# Altium PCB NZPP.PcbDoc (part 2 of 2)
Units mm, origin at the board's own origin, x right, y up, seen from the top; angles counter-clockwise.
Board outline 217.7 x 106.4 mm, 2 copper layers (Top Layer, Bottom Layer), stack 1.571 mm thick; 158 components, 125 nets, 713 pads, 208 vias.
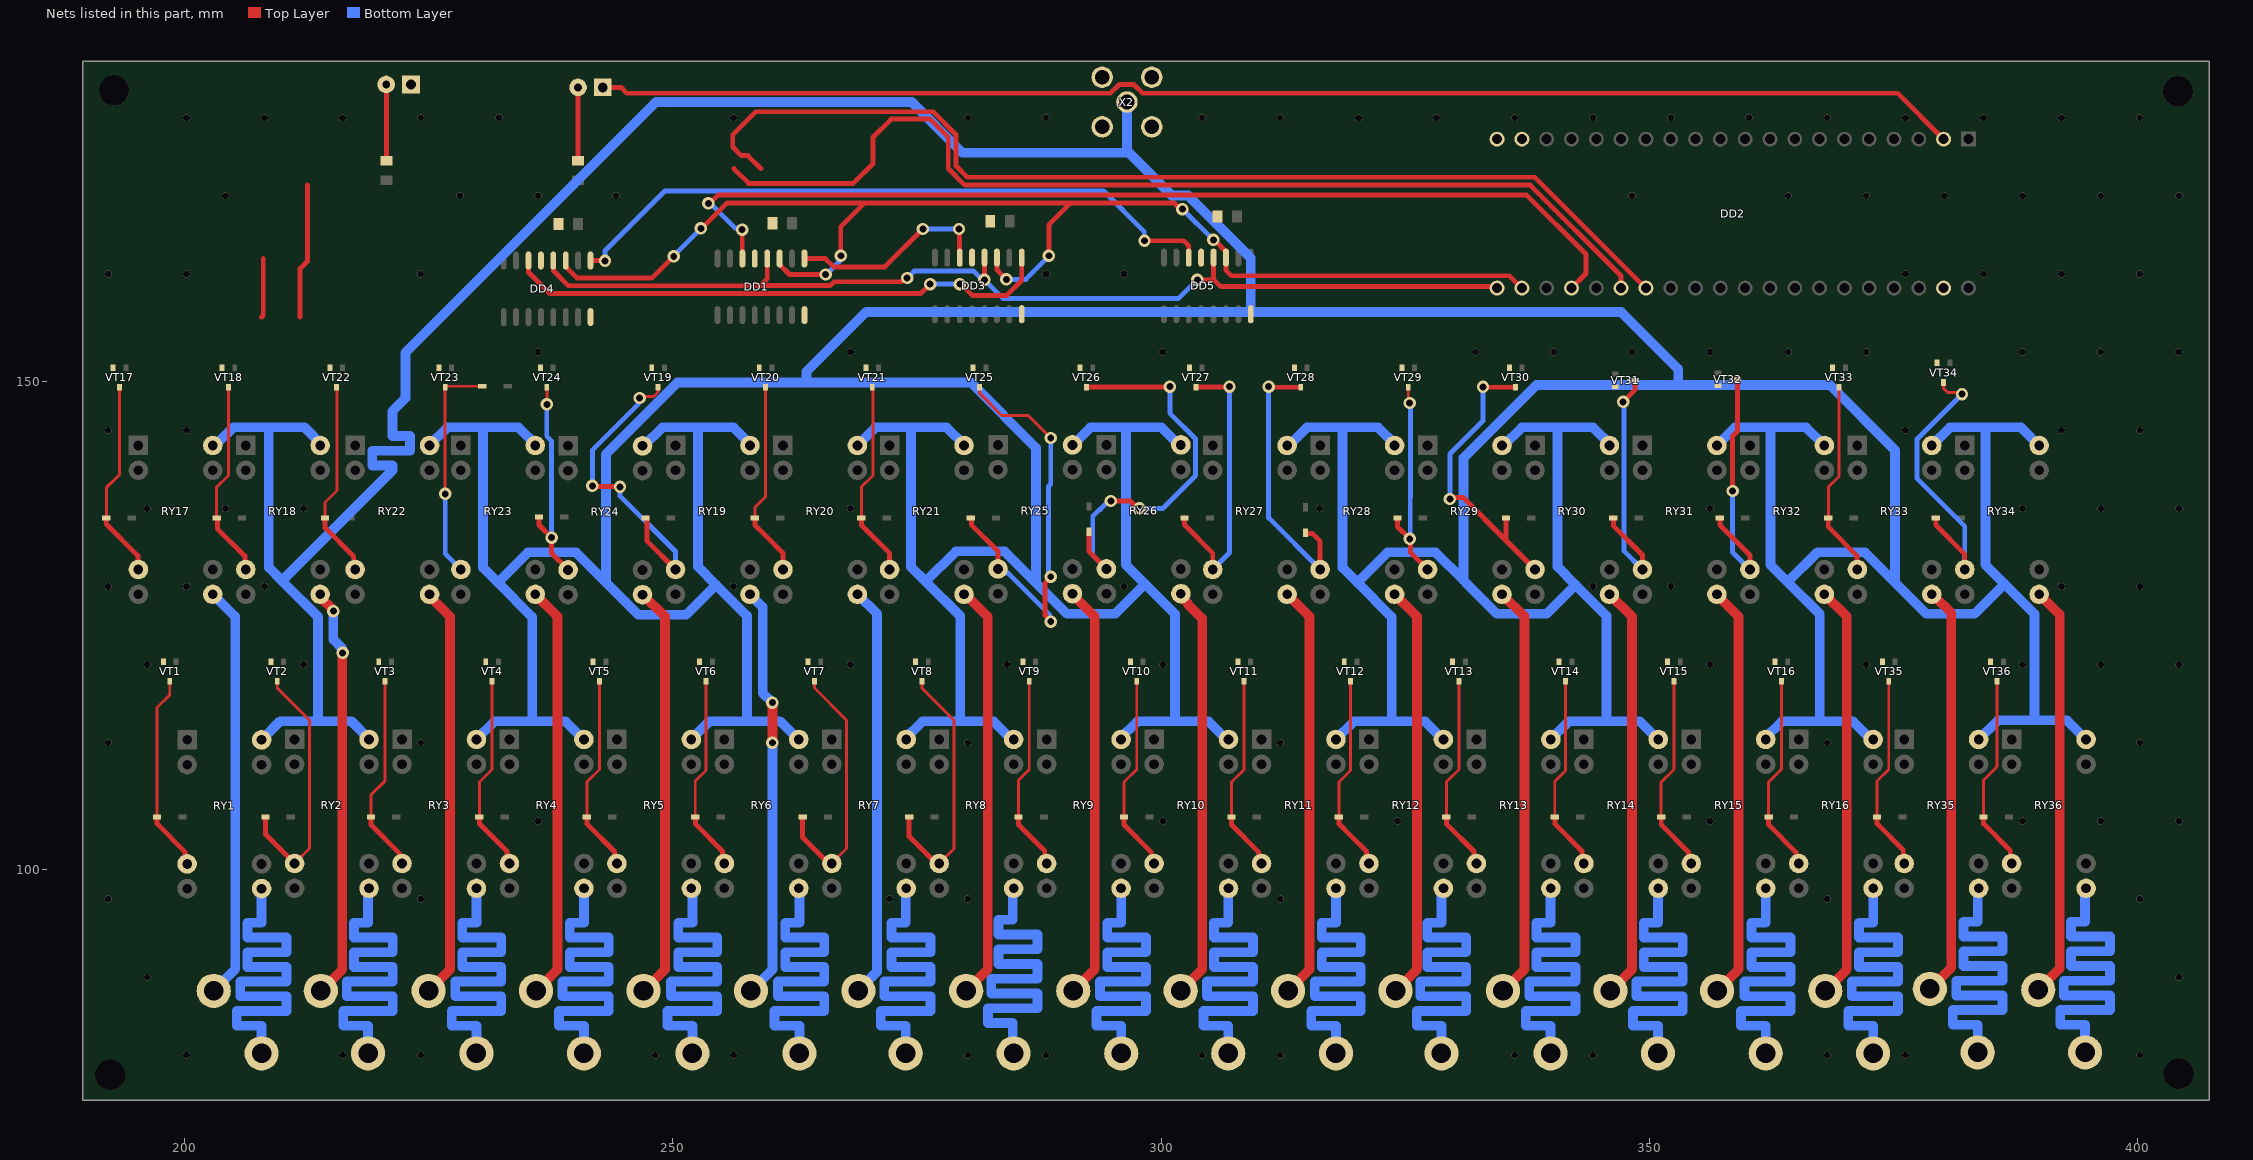
[diagram p2: the nets of this part, all layers, seen from the top]

## Via types
v1: diameter 0.7, hole 0.7, Top Layer to Bottom Layer, tented both sides, 120 vias
v2: diameter 1.27, hole 0.711, Top Layer to Bottom Layer, tented both sides, 80 vias
v3: diameter 0.7, hole 0.7, Top Layer to Bottom Layer, 6 vias
v4: diameter 1.27, hole 0.711, Top Layer to Bottom Layer, 2 vias

## Nets (pads, with @x,y where several pads share a name; then routed paths per layer and width w, separated by ;. In a path a pad name is that pad's centre, name@x,y a point inside that pad or via, vN(x,y) a via of type N, cw(c..) or ccw(c..) an arc to the next point about the centre after c; other vN are vias at no path point) (continued)
GND: C1.1 C2.1 C3.1 C4.1 DD1.8 DD1.13 DD2.GND DD3.8 DD3.13 DD4.8 DD4.13 DD5.8 DD5.13 HL2.1 VT1.2 VT2.2 VT3.2 VT4.2 VT5.2 VT6.2 VT7.2 VT8.2 VT9.2 VT10.2 VT11.2 VT12.2 VT13.2 VT14.2 VT15.2 VT16.2 VT17.2 VT18.2 VT19.2 VT20.2 VT21.2 VT22.2 VT23.2 VT24.2 VT25.2 VT26.2 VT27.2 VT28.2 VT29.2 VT30.2 VT31.2 VT32.2 VT33.2 VT34.2 VT35.2 VT36.2 X2.2 | length 0.1
  Top Layer w0.3: VT20.2@258.85,151.4 VT20.2@258.893,151.357
  Top Layer w0.5: DD1.8@263.477,156.775 DD1.8@263.491,156.761
  other v1: 200.2,81 216.2,81 224.2,81 248.2,81 256.2,81 280.2,81 288.2,81 304.2,81 312.2,81 336.2,81 344.2,81 368.2,81 376.2,81 400.2,81 196.2,89 404.2,89 192.2,97 224.2,97 272.2,97 280.2,97 312.2,97 368.2,97 400.2,97 236.2,105 300.2,105 324.2,105 356.2,105 388.2,105 396.2,105 404.2,105 192.2,113 224.2,113 312.2,113 368.2,113 400.2,113 196.2,121 212.2,121 268.2,121 284.2,121 300.2,121 356.2,121 372.2,121 388.2,121 396.2,121 404.2,121 192.2,129 200.2,129 208.2,129 352.2,129 392.2,129 400.2,129 196.2,137 204.2,137 212.2,137 220.2,137 268.2,137 276.2,137 356.2,137 364.2,137 388.2,137 396.2,137 404.2,137 192.2,145 200.2,145 376.2,145 392.2,145 400.2,145 236.2,153 268.2,153 300.2,153 332.2,153 340.2,153 348.2,153 356.2,153 364.2,153 372.2,153 388.2,153 396.2,153 404.2,153 192.2,161 200.2,161 224.2,161 288.2,161 296.2,161 376.2,161 384.2,161 392.2,161 400.2,161 204.2,169 228.2,169 236.2,169 244.2,169 348.2,169 364.2,169 372.2,169 380.2,169 388.2,169 396.2,169 404.2,169 200.2,177 208.2,177 216.2,177 224.2,177 232.2,177 256.2,177 280.2,177 288.2,177 304.2,177 312.2,177 320.2,177 328.2,177 336.2,177 344.2,177 352.2,177 360.2,177 368.2,177 376.2,177 384.2,177 392.2,177 400.2,177
  other v3: 280.2,113 256.2,129 296.2,129 344.2,129 308.2,137 316.2,137
MOSI: DD1.14 DD2.28 | length 104.4
  Top Layer w0.5: v2(253.645,168.22) 253.764,168.22 254.644,169.1 337.4,169.1 343.5,163 343.5,161.05 DD2.28@342,159.55 ; v2(257.1,165.539) 257.114,165.525 257.114,162.589 DD1.14@257.127,162.575
  Bottom Layer w0.5: v2(253.645,168.22) 253.853,168.22 256.386,165.686 256.953,165.686 v2(257.1,165.539)
NET1: 1.1 RY1.8 | length 47.3
  Bottom Layer w1: 1.1@207.9,81.2 207.9,83.52 207.9,84.02 205.36,84.02 205.36,85.528 210.44,85.528 210.44,87.036 205.718,87.036 205.718,88.544 210.44,88.544 210.44,90.052 206.454,90.052 206.454,91.56 210.44,91.56 210.44,93.068 206.454,93.068 206.454,94.576 207.9,94.576 207.9,96.039 RY1.8@207.9,98.06
NET2: 2.1 RY2.8 | length 47.3
  Bottom Layer w1: 2.1@218.8,81.2 218.8,83.52 218.8,84.02 216.26,84.02 216.26,85.528 221.34,85.528 221.34,87.036 216.618,87.036 216.618,88.544 221.34,88.544 221.34,90.052 217.354,90.052 217.354,91.56 221.34,91.56 221.34,93.068 217.354,93.068 217.354,94.576 218.8,94.576 218.8,96.039 RY2.8@218.8,98.06
NET3: 3.1 RY3.8 | length 47.3
  Bottom Layer w1: 3.1@229.9,81.2 229.9,83.52 229.9,84.02 227.36,84.02 227.36,85.528 232.44,85.528 232.44,87.036 227.718,87.036 227.718,88.544 232.44,88.544 232.44,90.052 228.454,90.052 228.454,91.56 232.44,91.56 232.44,93.068 228.454,93.068 228.454,94.576 229.9,94.576 229.9,96.039 RY3.8@229.9,98.06
NET4: 4.1 RY4.8 | length 47.3
  Bottom Layer w1: 4.1@240.9,81.2 240.9,83.52 240.9,84.02 238.36,84.02 238.36,85.528 243.44,85.528 243.44,87.036 238.718,87.036 238.718,88.544 243.44,88.544 243.44,90.052 239.454,90.052 239.454,91.56 243.44,91.56 243.44,93.068 239.454,93.068 239.454,94.576 240.9,94.576 240.9,96.039 RY4.8@240.9,98.06
NET5: 5.1 RY5.8 | length 47.3
  Bottom Layer w1: 5.1@252.011,81.2 252.011,83.52 252.011,84.02 249.471,84.02 249.471,85.528 254.551,85.528 254.551,87.036 249.829,87.036 249.829,88.544 254.551,88.544 254.551,90.052 250.565,90.052 250.565,91.56 254.551,91.56 254.551,93.068 250.565,93.068 250.565,94.576 252.011,94.576 252.011,96.039 RY5.8@252.011,98.06
NET6: 6.1 RY6.8 | length 47.3
  Bottom Layer w1: 6.1@262.964,81.2 262.964,83.52 262.964,84.02 260.424,84.02 260.424,85.528 265.504,85.528 265.504,87.036 260.782,87.036 260.782,88.544 265.504,88.544 265.504,90.052 261.518,90.052 261.518,91.56 265.504,91.56 265.504,93.068 261.518,93.068 261.518,94.576 262.964,94.576 262.964,96.039 RY6.8@262.964,98.06
NET7: 7.1 RY7.8 | length 47.3
  Bottom Layer w1: 7.1@273.844,81.2 273.844,83.52 273.844,84.02 271.304,84.02 271.304,85.528 276.384,85.528 276.384,87.036 271.662,87.036 271.662,88.544 276.384,88.544 276.384,90.052 272.398,90.052 272.398,91.56 276.384,91.56 276.384,93.068 272.398,93.068 272.398,94.576 273.844,94.576 273.844,96.039 RY7.8@273.844,98.06
NET8: 8.1 RY8.8 | length 47.3
  Bottom Layer w1: 8.1@284.8,81.5 284.8,83.82 284.8,84.32 282.26,84.32 282.26,85.828 287.34,85.828 287.34,87.336 282.618,87.336 282.618,88.844 287.34,88.844 287.34,90.352 283.354,90.352 283.354,91.86 287.34,91.86 287.34,93.368 283.354,93.368 283.354,94.876 284.8,94.876 284.8,96.339 RY8.8@284.8,98.36
NET9: 9.1 RY9.8 | length 47.3
  Bottom Layer w1: 9.1@295.917,81.2 295.917,83.52 295.917,84.02 293.377,84.02 293.377,85.528 298.457,85.528 298.457,87.036 293.735,87.036 293.735,88.544 298.457,88.544 298.457,90.052 294.471,90.052 294.471,91.56 298.457,91.56 298.457,93.068 294.471,93.068 294.471,94.576 295.917,94.576 295.917,96.039 RY9.8@295.917,98.06
NET10: 10.1 RY10.8 | length 47.3
  Bottom Layer w1: 10.1@306.87,81.2 306.87,83.52 306.87,84.02 304.33,84.02 304.33,85.528 309.41,85.528 309.41,87.036 304.688,87.036 304.688,88.544 309.41,88.544 309.41,90.052 305.424,90.052 305.424,91.56 309.41,91.56 309.41,93.068 305.424,93.068 305.424,94.576 306.87,94.576 306.87,96.039 RY10.8@306.87,98.06
NET11: 11.1 RY11.8 | length 47.3
  Bottom Layer w1: 11.1@317.9,81.2 317.9,83.52 317.9,84.02 315.36,84.02 315.36,85.528 320.44,85.528 320.44,87.036 315.718,87.036 315.718,88.544 320.44,88.544 320.44,90.052 316.454,90.052 316.454,91.56 320.44,91.56 320.44,93.068 316.454,93.068 316.454,94.576 317.9,94.576 317.9,96.039 RY11.8@317.9,98.06
NET12: 12.1 RY12.8 | length 47.3
  Bottom Layer w1: 12.1@328.7,81.2 328.7,83.52 328.7,84.02 326.16,84.02 326.16,85.528 331.24,85.528 331.24,87.036 326.518,87.036 326.518,88.544 331.24,88.544 331.24,90.052 327.254,90.052 327.254,91.56 331.24,91.56 331.24,93.068 327.254,93.068 327.254,94.576 328.7,94.576 328.7,96.039 RY12.8@328.7,98.06
NET13: 13.1 RY13.8 | length 47.3
  Bottom Layer w1: 13.1@339.873,81.2 339.873,83.52 339.873,84.02 337.333,84.02 337.333,85.528 342.413,85.528 342.413,87.036 337.691,87.036 337.691,88.544 342.413,88.544 342.413,90.052 338.427,90.052 338.427,91.56 342.413,91.56 342.413,93.068 338.427,93.068 338.427,94.576 339.873,94.576 339.873,96.039 RY13.8@339.873,98.06
NET14: 14.1 RY14.8 | length 47.3
  Bottom Layer w1: 14.1@350.861,81.2 350.861,83.52 350.861,84.02 348.321,84.02 348.321,85.528 353.401,85.528 353.401,87.036 348.679,87.036 348.679,88.544 353.401,88.544 353.401,90.052 349.415,90.052 349.415,91.56 353.401,91.56 353.401,93.068 349.415,93.068 349.415,94.576 350.861,94.576 350.861,96.039 RY14.8@350.861,98.06
NET15: 15.1 RY15.8 | length 47.3
  Bottom Layer w1: 15.1@361.9,81.2 361.9,83.52 361.9,84.02 359.36,84.02 359.36,85.528 364.44,85.528 364.44,87.036 359.718,87.036 359.718,88.544 364.44,88.544 364.44,90.052 360.454,90.052 360.454,91.56 364.44,91.56 364.44,93.068 360.454,93.068 360.454,94.576 361.9,94.576 361.9,96.039 RY15.8@361.9,98.06
NET16: 16.1 RY16.8 | length 47.3
  Bottom Layer w1: 16.1@372.9,81.2 372.9,83.52 372.9,84.02 370.36,84.02 370.36,85.528 375.44,85.528 375.44,87.036 370.718,87.036 370.718,88.544 375.44,88.544 375.44,90.052 371.454,90.052 371.454,91.56 375.44,91.56 375.44,93.068 371.454,93.068 371.454,94.576 372.9,94.576 372.9,96.039 RY16.8@372.9,98.06
NET17: 17.1 RY17.8 | length 42.5
  Bottom Layer w1: RY17.8@202.92,128.2 205.2,125.92 205.2,89.8 17.1@203,87.6
NET18: 18.1 RY18.8 | length 42.5
  Top Layer w1: RY18.8@213.9,128.2 213.9,127.929 215.197,126.633 215.197,126.527 v2(215.248,126.475) ; 18.1@213.964,87.6 216.164,89.8 v2@216.164,122.2
  Bottom Layer w1: v2(215.248,126.475) 215.248,123.578 216.148,122.678 216.148,122.252 v2(216.2,122.2)
NET19: 19.1 RY21.8 | length 42.5
  Top Layer w1: RY21.8@279.96,128.2 282.24,125.92 282.24,89.8 19.1@280.04,87.6
NET20: 20.1 RY22.8 | length 42.5
  Top Layer w1: RY22.8@224.92,128.2 227.2,125.92 227.2,89.8 20.1@225,87.6
NET21: 21.1 RY23.8 | length 42.5
  Top Layer w1: RY23.8@235.92,128.2 238.2,125.92 238.2,89.8 21.1@236,87.6
NET22: 22.1 RY24.8 | length 42.5
  Top Layer w1: RY24.8@246.92,128.2 249.2,125.92 249.2,89.8 22.1@247,87.6
NET23: 23.1 RY19.8 | length 42.5
  Top Layer w1: v2(260.2,113) v2(260.2,117.1)
  Bottom Layer w1: RY19.8@257.92,128.2 259.2,126.92 259.2,118.1 v2(260.2,117.1) ; 23.1@258,87.6 260.2,89.8 v2(260.2,113)
NET24: 24.1 RY20.8 | length 42.2
  Bottom Layer w1: RY20.8@268.92,128.2 270.9,126.22 270.9,89.556 269,87.656 24.1@269,87.6
NET25: 25.1 RY25.8 | length 42.5
  Top Layer w1: RY25.8@290.92,128.2 293.2,125.92 293.2,89.8 25.1@291,87.6
NET26: 26.1 RY26.8 | length 42.5
  Top Layer w1: RY26.8@301.92,128.2 301.92,128.088 302.772,127.236 302.772,127.161 304.2,125.733 304.2,89.8 26.1@302,87.6
NET27: 27.1 RY27.8 | length 42.5
  Top Layer w1: RY27.8@312.92,128.2 315.2,125.92 315.2,89.8 27.1@313,87.6
NET28: 28.1 RY28.8 | length 42.5
  Top Layer w1: RY28.8@323.92,128.2 326.2,125.92 326.2,89.8 28.1@324,87.6
NET29: 29.1 RY29.8 | length 42.5
  Top Layer w1: RY29.8@334.92,128.2 337.2,125.92 337.2,89.8 29.1@335,87.6
NET30: 30.1 RY30.8 | length 42.5
  Top Layer w1: RY30.8@345.92,128.2 348.2,125.92 348.2,89.8 30.1@346,87.6
NET31: 31.1 RY31.8 | length 42.5
  Top Layer w1: RY31.8@356.84,128.2 359.12,125.92 359.12,89.8 31.1@356.92,87.6
NET32: 32.1 RY32.8 | length 42.5
  Top Layer w1: RY32.8@367.92,128.2 370.2,125.92 370.2,89.8 32.1@368,87.6
NET33: 33.1 RY33.8 | length 42.1
  Top Layer w1: 33.1@378.7,87.8 380.9,90 380.9,126.288 RY33.8@378.988,128.2
NET34: 34.1 RY34.8 | length 42.3
  Top Layer w1: 34.1@389.8,87.7 392,89.9 392,126.12 RY34.8@389.92,128.2
NET35: 35.1 RY35.8 | length 47.3
  Bottom Layer w1: 35.1@383.6,81.3 383.6,83.62 383.6,84.12 381.06,84.12 381.06,85.628 386.14,85.628 386.14,87.136 381.418,87.136 381.418,88.644 386.14,88.644 386.14,90.152 382.154,90.152 382.154,91.66 386.14,91.66 386.14,93.168 382.154,93.168 382.154,94.676 383.6,94.676 383.6,96.139 RY35.8@383.6,98.16
NET36: 36.1 RY36.8 | length 47.3
  Bottom Layer w1: 36.1@394.6,81.3 394.6,83.62 394.6,84.12 392.06,84.12 392.06,85.628 397.14,85.628 397.14,87.136 392.418,87.136 392.418,88.644 397.14,88.644 397.14,90.152 393.154,90.152 393.154,91.66 397.14,91.66 397.14,93.168 393.154,93.168 393.154,94.676 394.6,94.676 394.6,96.139 RY36.8@394.6,98.16
NET37: RY1.14 RY2.14 RY3.14 RY4.14 RY5.14 RY6.14 RY7.14 RY8.14 RY9.14 RY10.14 RY11.14 RY12.14 RY13.14 RY14.14 RY15.14 RY16.14 RY17.14 RY18.14 RY19.14 RY20.14 RY21.14 RY22.14 RY23.14 RY24.14 RY25.14 RY26.14 RY27.14 RY28.14 RY29.14 RY30.14 RY31.14 RY32.14 RY33.14 RY34.14 RY35.14 RY36.14 X2.1 | length 1025.4
  Bottom Layer w1: RY17.14@202.9,143.44 RY17.14@203.089,143.629 ; RY17.14@203.145,143.445 205.005,145.305 208.645,145.305 ; RY1.14@207.9,113.3 209.805,115.205 213.674,115.205 ; RY18.14@213.712,143.628 RY18.14@213.9,143.44 ; RY18.14@214.145,143.445 212.285,145.305 208.645,145.305 ; RY2.14@218.709,113.531 RY2.14@218.9,113.34 ; RY2.14@218.945,113.345 217.085,115.205 213.674,115.205 ; RY22.14@225.1,143.44 225.1,143.468 226.932,145.3 230.572,145.3 ; RY3.14@229.872,113.34 231.732,115.2 235.602,115.2 ; RY23.14@236.072,143.44 234.212,145.3 230.572,145.3 ; RY4.14@240.872,113.34 239.012,115.2 235.602,115.2 ; 243.15,129.571 243.15,142.551 250.475,149.876 263.7,149.876 ; 245.146,127.433 243.08,129.5 240.085,132.494 235.173,132.494 232.09,129.41 ; 245.217,127.363 246.479,126.1 251.353,126.1 254.427,129.173 ; RY24.14@247.072,143.44 248.932,145.3 252.572,145.3 ; RY5.14@251.886,113.354 253.732,115.2 261.012,115.2 RY6.14@262.872,113.34 ; 257.602,115.429 257.602,125.998 254.427,129.173 ; RY19.14@258.072,143.44 256.212,145.3 252.572,145.3 ; RY20.14@268.9,143.44 270.76,145.3 274.4,145.3 ; RY7.14@273.8,113.44 275.56,115.2 279.429,115.2 ; RY21.14@279.86,143.48 278.04,145.3 274.4,145.3 ; RY8.14@284.7,113.34 282.84,115.2 279.429,115.2 ; RY8.14@284.8,113.44 RY8.14@284.9,113.34 ; 287.2,129.424 287.2,143.201 280.525,149.876 263.7,149.876 ; RY25.14@290.919,143.5 RY25.14@290.947,143.5 ; RY25.14@290.953,143.493 292.76,145.3 296.4,145.3 ; RY9.14@295.786,113.426 297.56,115.2 304.84,115.2 RY10.14@306.7,113.34 ; RY9.14@295.872,113.34 RY9.14@295.9,113.34 ; 296.5,173.4 279.666,173.4 274.466,178.6 248.3,178.6 222.643,152.943 222.643,148.296 221.3,146.954 221.3,145.1 221.3,144.416 223.1,144.416 223.1,142.908 219.234,142.908 219.234,141.4 221.3,141.4 221.3,140.9 209.988,129.588 ; 296.5,173.616 301.088,169.028 302.772,169.028 309.177,162.623 309.177,157.1 ; 296.5,173.8 X2.1@296.5,178.6 ; 301.429,115.429 301.429,126.19 298.35,129.269 ; RY26.14@301.9,143.44 300.04,145.3 296.4,145.3 ; RY26.14@301.992,143.5 RY26.14@302.019,143.5 ; RY10.14@306.872,113.34 RY10.14@306.9,113.34 ; RY27.14@312.9,143.44 RY27.14@312.928,143.44 ; RY27.14@313.072,143.44 314.932,145.3 318.572,145.3 ; RY11.14@317.9,113.34 317.872,113.34 319.732,115.2 323.602,115.2 ; RY28.14@323.9,143.44 RY28.14@323.928,143.44 ; RY28.14@324,143.512 322.212,145.3 318.572,145.3 ; RY12.14@328.9,113.34 328.872,113.34 327.012,115.2 323.602,115.2 ; RY29.14@334.9,143.44 RY29.14@334.928,143.44 ; RY29.14@335.072,143.44 336.932,145.3 340.572,145.3 ; RY13.14@339.9,113.34 339.872,113.34 341.732,115.2 349.012,115.2 350.872,113.34 RY14.14@350.9,113.34 ; 345.602,115.429 345.602,125.998 342.427,129.173 ; RY30.14@345.9,143.44 RY30.14@345.928,143.44 ; RY30.14@346,143.512 344.212,145.3 340.572,145.3 ; RY31.14@356.9,143.44 358.76,145.3 362.4,145.3 ; RY15.14@361.786,113.426 363.56,115.2 367.429,115.2 ; RY15.14@361.872,113.34 RY15.14@361.9,113.34 ; RY32.14@367.9,143.44 366.04,145.3 362.4,145.3 ; RY16.14@372.7,113.34 370.84,115.2 367.429,115.2 ; RY16.14@372.872,113.34 RY16.14@372.9,113.34 ; RY33.14@378.9,143.44 380.76,145.3 384.4,145.3 ; RY35.14@383.7,113.34 385.66,115.3 389.429,115.3 ; RY34.14@389.9,143.44 388.04,145.3 384.4,145.3 ; RY36.14@394.7,113.34 392.74,115.3 389.429,115.3 ; 208.645,145.305 208.645,130.932 209.988,129.588 ; 209.988,129.588 210.162,129.415 213.674,125.903 213.674,115.205 ; 230.572,145.3 230.572,130.928 232.09,129.41 ; 232.09,129.41 235.602,125.898 235.602,115.2 ; 252.572,145.3 252.572,131.028 254.427,129.173 ; 263.7,149.876 263.7,151 269.8,157.1 309.177,157.1 ; 274.4,145.3 274.4,131 275.85,129.55 275.89,129.51 ; 275.89,129.51 279.429,125.971 279.429,115.2 ; 275.89,129.51 278.98,132.6 283.979,132.6 285.053,131.526 285.053,131.521 290.374,126.2 295.281,126.2 298.35,129.269 ; 296.4,145.3 296.4,131.219 298.35,129.269 ; 309.177,157.1 347.1,157.1 352.937,151.263 352.937,149.625 ; 318.572,145.3 318.572,130.928 320.09,129.41 ; 320.09,129.41 323.173,132.494 328.105,132.494 330.95,129.649 ; 320.09,129.41 323.602,125.898 323.602,115.2 ; 330.95,129.649 331.322,129.277 334.399,126.2 339.453,126.2 342.427,129.173 ; 330.95,129.649 330.95,142.15 338.425,149.625 352.937,149.625 ; 340.572,145.3 340.572,131.028 342.427,129.173 ; 352.937,149.625 368.475,149.625 375.15,142.95 375.15,129.424 ; 362.4,145.3 362.4,131.219 364.149,129.47 ; 364.149,129.47 367.429,126.19 367.429,115.2 ; 364.149,129.47 367.173,132.494 372.08,132.494 375.15,129.424 ; 375.15,129.424 378.374,126.2 383.281,126.2 386.35,129.269 ; 384.4,145.3 384.4,131.219 386.35,129.269 ; 386.35,129.269 389.429,126.19 389.429,115.3
NetDD1_9: DD1.9 DD3.14 | length 20
  Top Layer w0.5: DD1.9@263.477,162.575 265.625,162.575 266.478,161.722 271.722,161.722 v2(275.6,165.6) ; 279.356,164.9 279.356,162.694 DD3.14@279.375,162.675
  Bottom Layer w0.5: v2(275.6,165.6) v2(279.3,165.6)
NetDD2_2: DD2.2 HL1.1 | length 140.2
  Top Layer w0.5: HL1.1@242.84,180.1 244.7,180.1 245.3,179.5 294.8,179.5 295.7,180.4 297.2,180.4 298.104,179.496 375.404,179.496 DD2.2@380.1,174.8
NetDD3_9: DD3.9 DD4.14 | length 56.5
  Top Layer w0.5: DD4.14@235.227,162.375 235.227,161.173 237.4,159 275.389,159 v2(276.343,159.954) ; v2(279.4,159.961) 279.517,159.961 280.678,158.8 284.2,158.8 285.725,160.325 DD3.9@285.725,162.675
  Bottom Layer w0.5: v2(276.343,159.954) 276.35,159.961 v2(279.4,159.961)
NetDD4_9: DD4.9 DD5.14 | length 68.9
  Top Layer w0.5: DD4.9@241.577,162.375 243.025,162.375 v2(243.062,162.338) v2@243.1,162.3 ; v2(298.3,164.4) 302.3,164.4 302.827,163.873 DD5.14@302.827,162.675
  Bottom Layer w0.5: v2(243.062,162.338) 243.062,163.362 249.2,169.5 294.1,169.5 298.271,165.329 298.271,164.429 v2(298.3,164.4)
NetDD6_1:  | length 6.1
  Top Layer w0.5: 207.9,156.575 208.065,156.74 208.065,162.6
NetHL1_2: HL1.2 R1.1 | length 7.5
  Top Layer w0.5: HL1.2@240.06,180.1 HL1.2@240.094,180.134 ; R1.1@240.3,172.6 HL1.2@240.3,180.1
NetHL2_2: HL2.2 R2.1 | length 7.7
  Top Layer w0.5: HL2.2@220.66,180.3 220.7,180.26 R2.1@220.7,172.6
NetRY1_6: RY1.6 VD1.1 VT1.3 | length 20.5
  Top Layer w0.3: VD1.1@197.2,105.4 197.2,116.6 198.5,117.9 VT1.3@198.5,119.3
  Top Layer w0.5: VD1.1@197.2,105.4 197.207,105.4 197.207,104.693 200.053,101.847 200.053,100.827 RY1.6@200.28,100.6
NetRY2_6: RY2.6 VD2.1 VT2.3 | length 26.7
  Top Layer w0.3: VT2.3@209.5,119.3 209.5,118.6 212.8,115.3 212.8,102.16 RY2.6@211.5,100.86
  Top Layer w0.5: VD2.1@208.3,105.4 208.3,103.62 RY2.6@211.28,100.64 RY2.6@211.5,100.86
NetRY3_6: RY3.6 VD3.1 VT3.3 | length 20.6
  Top Layer w0.3: VD3.1@219.1,105.4 219.1,107.672 220.55,109.122 VT3.3@220.55,119.3
  Top Layer w0.5: VD3.1@219.1,105.4 219.1,104.6 221.993,101.707 221.993,100.927 RY3.6@222.28,100.64
NetRY4_6: RY4.6 VD4.1 VT4.3 | length 20.5
  Top Layer w0.3: VD4.1@230.2,105.4 230.2,108.973 231.5,110.273 VT4.3@231.5,119.3
  Top Layer w0.5: VD4.1@230.2,105.4 230.207,105.4 230.207,104.693 233.033,101.867 233.033,100.887 RY4.6@233.28,100.64
NetRY5_6: RY5.6 VD5.1 VT5.3 | length 20.5
  Top Layer w0.3: VD5.1@241.2,105.4 241.2,108.973 242.5,110.273 VT5.3@242.5,119.3
  Top Layer w0.5: VD5.1@241.2,105.4 241.207,105.4 241.207,104.693 244.033,101.867 244.033,100.887 RY5.6@244.28,100.64
NetRY6_6: RY6.6 VD6.1 VT6.3 | length 20.4
  Top Layer w0.3: VD6.1@252.3,105.4 252.3,109.073 253.4,110.173 VT6.3@253.4,119.3
  Top Layer w0.5: VD6.1@252.3,105.4 252.307,105.4 252.307,104.693 255.083,101.917 255.083,100.837 RY6.6@255.28,100.64
NetRY7_6: RY7.6 VD7.1 VT7.3 | length 26.8
  Top Layer w0.3: VT7.3@264.5,119.3 264.5,118.6 267.8,115.3 267.8,102.16 RY7.6@266.28,100.64
  Top Layer w0.5: VD7.1@263.3,105.4 263.3,103.3 265.96,100.64 RY7.6@266.28,100.64
NetRY8_6: RY8.6 VD8.1 VT8.3 | length 26.9
  Top Layer w0.3: VT8.3@275.5,119.3 275.5,118.6 278.784,115.316 278.784,102.144 RY8.6@277.28,100.64
  Top Layer w0.5: VD8.1@274.2,105.4 274.2,103.4 276.96,100.64 RY8.6@277.28,100.64
NetRY9_6: RY9.6 VD9.1 VT9.3 | length 20.3
  Top Layer w0.3: VD9.1@285.4,105.4 285.4,109.173 286.5,110.273 VT9.3@286.5,119.3
  Top Layer w0.5: VD9.1@285.4,105.4 285.4,104.6 288.083,101.917 288.083,100.837 RY9.6@288.28,100.64
NetRY10_6: RY10.6 VD10.1 VT10.3 | length 20.5
  Top Layer w0.3: VD10.1@296.2,105.4 296.2,108.973 297.5,110.273 VT10.3@297.5,119.3
  Top Layer w0.5: VD10.1@296.2,105.4 296.2,104.6 298.993,101.807 298.993,100.927 RY10.6@299.28,100.64
NetRY11_6: RY11.6 VD11.1 VT11.3 | length 20.5
  Top Layer w0.3: VD11.1@307.2,105.4 307.2,108.973 308.5,110.273 VT11.3@308.5,119.3
  Top Layer w0.5: VD11.1@307.2,105.4 307.2,104.6 309.993,101.807 309.993,100.927 RY11.6@310.28,100.64
NetRY12_6: RY12.6 VD12.1 VT12.3 | length 20.4
  Top Layer w0.3: VD12.1@318.2,105.4 318.2,108.973 319.4,110.173 VT12.3@319.4,119.3
  Top Layer w0.5: VD12.1@318.2,105.4 318.207,105.4 318.207,104.693 319.4,103.5 321.033,101.867 321.033,100.887 RY12.6@321.28,100.64
NetRY13_6: RY13.6 VD18.1 VT13.3 | length 20.5
  Top Layer w0.3: VD18.1@329.2,105.4 329.2,108.973 330.5,110.273 VT13.3@330.5,119.3
  Top Layer w0.5: VD18.1@329.2,105.4 329.207,105.4 329.207,104.693 332.033,101.867 332.033,100.887 RY13.6@332.28,100.64
NetRY14_6: RY14.6 VD13.1 VT14.3 | length 20.4
  Top Layer w0.3: VD13.1@340.3,105.4 340.3,109.042 341.4,110.142 VT14.3@341.4,119.3
  Top Layer w0.5: VD13.1@340.3,105.4 340.307,105.4 340.307,104.693 343.083,101.917 343.083,100.837 RY14.6@343.28,100.64
NetRY15_6: RY15.6 VD14.1 VT15.3 | length 20.5
  Top Layer w0.3: VD14.1@351.2,105.4 351.2,108.973 352.5,110.273 VT15.3@352.5,119.3
  Top Layer w0.5: VD14.1@351.2,105.4 351.2,104.6 353.993,101.807 353.993,100.927 RY15.6@354.28,100.64
NetRY16_6: RY16.6 VD15.1 VT16.3 | length 20.5
  Top Layer w0.3: VD15.1@362.2,105.4 362.2,108.973 363.5,110.273 VT16.3@363.5,119.3
  Top Layer w0.5: VD15.1@362.2,105.4 362.2,104.6 364.993,101.807 364.993,100.927 RY16.6@365.28,100.64
NetRY17_6: RY17.6 VD16.1 VT17.3 | length 20.6
  Top Layer w0.3: VD16.1@192,136 192,139.1 193.35,140.45 VT17.3@193.35,149.4
  Top Layer w0.5: VD16.1@192,136 192,135.4 195.233,132.167 195.233,130.787 RY17.6@195.28,130.74
NetRY18_6: RY18.6 VD17.1 VT18.3 | length 20.4
  Top Layer w0.3: VD17.1@203.3,136 203.3,139.173 204.5,140.373 VT18.3@204.5,149.4
  Top Layer w0.5: VD17.1@203.3,136 203.368,136 203.368,134.932 206.183,132.117 206.183,130.837 RY18.6@206.28,130.74
NetRY19_6: RY19.6 VD19.1 VT19.3 | length 34
  Top Layer w0.3: v2@246.747,148.447 248.047,148.447 248.5,148.9 VT19.3@248.5,149.4
  Top Layer w0.5: v2(241.761,139.3) 241.811,139.25 244.55,139.25 v2(244.6,139.2) ; v2(246.6,148.3) v2@246.747,148.447 ; VD19.1@247.2,136 247.375,136 247.375,133.645 RY19.6@250.28,130.74
  Bottom Layer w0.5: v2(241.761,139.3) 241.761,142.961 246.453,147.653 246.453,148.153 v2(246.6,148.3) ; v2(244.6,139.2) 244.612,139.188 244.612,138.253 250.28,132.585 RY19.6@250.28,130.74
NetRY20_6: RY20.6 VD20.1 VT20.3 | length 20.3
  Top Layer w0.3: VD20.1@258.4,136 258.4,137.089 259.5,138.189 VT20.3@259.5,149.4
  Top Layer w0.5: VD20.1@258.4,136 258.407,136 258.407,135.293 259.5,134.2 261.28,132.42 RY20.6@261.28,130.74
NetRY21_6: RY21.6 VD21.1 VT21.3 | length 20.4
  Top Layer w0.3: VD21.1@269.3,136 269.3,139.173 270.5,140.373 270.5,149.317 VT21.3@270.416,149.4
  Top Layer w0.5: VD21.1@269.3,136 269.307,136 269.307,135.293 272.2,132.4 RY21.6@272.2,130.74
NetRY22_6: RY22.6 VD22.1 VT22.3 | length 20.5
  Top Layer w0.3: VD22.1@214.4,136 214.4,137.589 215.633,138.822 215.633,149.317 VT22.3@215.55,149.4
  Top Layer w0.5: VD22.1@214.4,136 214.4,135 217.333,132.067 217.333,130.887 RY22.6@217.48,130.74
NetRY23_6: RY23.6 VD23.1 VT23.3 | length 23.2
  Top Layer w0.3: v2@226.7,138.498 VT23.3@226.7,149.4 ; VT23.3@226.7,149.5 VD23.1@230.5,149.5
  Top Layer w0.5: v2@226.7,138.498 v2(226.706,138.492) ; VT23.3@226.7,149.4 VT23.3@226.7,149.5
  Bottom Layer w0.5: v2(226.706,138.492) 226.7,138.486 226.7,132.34 RY23.6@228.3,130.74
NetRY24_6: RY24.6 VD24.1 VT24.3 | length 22.2
  Top Layer w0.3: v2(237.1,147.639) VT24.3@237.1,149.4
  Top Layer w0.5: VD24.1@236.3,136.1 236.3,135.3 v2(237.6,134) 237.6,132.38 RY24.6@239.28,130.7
  Bottom Layer w0.5: v2(237.1,147.639) 237.1,144.387 237.6,143.887 v2(237.6,134)
NetRY25_6: RY25.6 VD25.1 VT25.3 | length 43.7
  Top Layer w0.3: VT25.3@281.4,149.4 281.418,149.382 281.418,148.782 283.688,146.512 286.388,146.512 v2(288.7,144.2)
  Top Layer w0.5: VD25.1@280.5,136 280.568,136 280.568,135.332 283.299,132.601 RY25.6@283.299,130.8 ; v2(288.7,125.4) 288.7,125.478 288.1,126.078 288.1,129.322 288.7,129.922 v2(288.7,130)
  Bottom Layer w0.5: RY25.6@283.299,130.8 283.705,130.8 284.142,130.363 284.337,130.363 288.553,126.147 288.553,125.547 v2(288.7,125.4) ; v2(288.7,130) 288.7,130.208 288.468,130.44 288.468,139.261 288.7,139.493 v2(288.7,144.2)
NetRY26_6: RY26.6 VD26.1 VT26.3 | length 42.2
  Top Layer w0.5: VT26.3@292.35,149.4 292.35,149.435 300.865,149.435 v2(300.9,149.471) ; VD26.1@292.6,134.6 292.6,132.599 RY26.6@294.399,130.8 ; v2(294.847,137.753) 296.828,137.753 297.581,137 v2(297.789,137)
  Bottom Layer w0.5: RY26.6@294.399,130.8 293,132.199 293,136.2 293.698,136.898 293.785,136.898 294.639,137.753 v2(294.847,137.753) ; v2(297.789,137) 300.186,137 303.523,140.337 303.523,144.123 300.9,146.746 v2(300.9,149.471)
NetRY27_6: RY27.6 VD27.1 VT27.3 | length 29.4
  Top Layer w0.5: VD27.1@302.4,136 302.407,136 302.407,135.293 305.28,132.42 RY27.6@305.28,130.74 ; VT27.3@303.55,149.4 303.55,149.435 306.965,149.435 v2(307,149.471)
  Bottom Layer w0.5: RY27.6@305.28,130.74 307,132.46 v2(307,149.471)
NetRY28_6: RY28.6 VD28.1 VT28.3 | length 29
  Top Layer w0.5: v2(311,149.471) 311.071,149.4 VT28.3@314.3,149.4 ; VD28.1@314.8,134.5 314.8,134.432 315.468,134.432 316.28,133.62 RY28.6@316.28,130.74
  Bottom Layer w0.5: v2(311,149.471) 311,136.02 RY28.6@316.28,130.74
NetRY29_6: RY29.6 VD29.1 VT29.3 | length 22.2
  Top Layer w0.3: v2@325.3,147.939 VT29.3@325.3,149.4
  Top Layer w0.5: VD29.1@324.2,136 324.2,135.136 v2(325.453,133.883) 325.522,133.814 325.522,132.498 RY29.6@327.28,130.74 ; v2@325.3,147.939 v2(325.447,147.792)
  Bottom Layer w0.5: v2(325.447,147.792) 325.447,147.353 325.539,147.261 325.539,138.128 325.5,138.089 325.5,133.93 v2(325.453,133.883)
NetRY30_6: RY30.6 VD30.1 VT30.3 | length 30.3
  Top Layer w0.5: v2(329.561,137.961) 329.708,138.108 330.912,138.108 335.21,133.81 ; v2(332.95,149.439) 332.989,149.4 VT30.3@336.3,149.4 ; VD30.1@335.3,136 335.3,133.9 335.21,133.81 ; RY30.6@338.28,130.74 335.21,133.81
  Bottom Layer w0.5: v2(329.561,137.961) 329.561,142.561 332.95,145.95 v2(332.95,149.439)
NetRY31_6: RY31.6 VD31.1 VT31.3 | length 27.2
  Top Layer w0.5: VD31.1@346.3,136 346.3,135.2 349.28,132.22 RY31.6@349.28,130.74 ; v2(347.3,147.9) 348.5,149.1 VT31.3@348.5,150.1
  Bottom Layer w0.5: v2(347.3,147.9) 347.404,147.796 347.404,132.616 RY31.6@349.28,130.74
NetRY32_6: RY32.6 VD32.1 VT32.3 | length 27
  Top Layer w0.5: VD32.1@357.2,136 357.207,136 357.207,135.293 360.28,132.22 RY32.6@360.28,130.74 ; v2(358.519,138.781) 358.5,138.8 358.5,144.373 359,144.873 VT32.3@359,150.2
  Bottom Layer w0.5: v2(358.519,138.781) 358.5,138.762 358.5,132.52 RY32.6@360.28,130.74
NetRY33_6: RY33.6 VD33.1 VT33.3 | length 20.3
  Top Layer w0.3: VD33.1@368.307,136 368.307,139.18 369.4,140.273 VT33.3@369.4,149.4
  Top Layer w0.5: VD33.1@368.3,136 368.3,135.1 371.233,132.167 371.233,130.787 RY33.6@371.28,130.74
NetRY34_6: RY34.6 VD34.1 VT34.3 | length 31.1
  Top Layer w0.3: VT34.3@380.1,149.9 380.118,149.882 380.118,149.282 380.553,148.847 v2@381.853,148.847
  Top Layer w0.5: VD34.1@379.3,136 379.307,136 379.307,135.293 382.28,132.32 RY34.6@382.28,130.74 ; v2@381.853,148.847 v2(382,148.7)
  Bottom Layer w0.5: v2(382,148.7) 377.396,144.096 377.396,140.046 382.28,135.162 RY34.6@382.28,130.74
NetRY35_6: RY35.6 VD35.1 VT35.3 | length 20.3
  Top Layer w0.3: VD35.1@373.3,105.4 373.3,109.073 374.5,110.273 VT35.3@374.5,119.3
  Top Layer w0.5: VD35.1@373.3,105.4 373.307,105.4 373.307,104.693 375.983,102.017 375.983,100.737 RY35.6@376.08,100.64
NetRY36_6: RY36.6 VD36.1 VT36.3 | length 20.4
  Top Layer w0.3: VD36.1@384.2,105.4 384.2,109.173 385.579,110.552 VT36.3@385.579,119.3
  Top Layer w0.5: VD36.1@384.2,105.4 384.207,105.4 384.207,104.693 386.933,101.967 386.933,100.787 RY36.6@387.08,100.64
RX1: DD2.31 | length 108.9
  Top Layer w0.5: 259.03,171.78 257.694,173.116 257.022,173.116 256.141,173.997 256.141,175.243 258.506,177.608 276.658,177.608 279,175.266 279,172.066 280.166,170.9 338.27,170.9 DD2.31@349.62,159.55
Shift_register: DD1.11 DD2.26 DD3.11 DD4.11 DD5.11 | length 136.2
  Top Layer w0.5: DD4.11@239.037,162.375 239.037,161.75 240.187,160.6 247.9,160.6 v4(250.1,162.8) v4@250.1,162.847 ; v4@252.867,165.614 v4(252.867,165.661) ; v4@252.914,165.614 255.583,168.283 269.654,168.283 ; DD1.11@260.937,162.575 260.937,161.95 261.948,160.939 v2(265.65,160.939) ; v2(267.2,162.861) 267.2,165.829 269.654,168.283 ; DD3.11@283.166,162.694 DD3.11@283.185,162.675 283.204,162.656 283.204,161.396 v2(284.15,160.45) ; v2(288.5,162.861) 288.5,166.029 290.754,168.283 ; v2(302.172,167.639) 301.963,167.639 301.319,168.283 290.754,168.283 ; v2(305.347,164.489) 305.421,164.489 306.611,163.299 306.619,163.299 306.619,162.694 306.656,162.656 306.656,161.344 307.184,160.816 335.654,160.816 DD2.26@336.92,159.55 ; 269.654,168.283 290.754,168.283
  Bottom Layer w0.5: v4(250.1,162.8) 250.1,162.847 252.867,165.614 v4(252.867,165.661) ; v2(265.65,160.939) 265.7,160.939 267.053,162.292 267.053,162.714 v2(267.2,162.861) ; v2(284.15,160.45) 286.15,160.45 288.5,162.8 v2(288.5,162.861) ; v2(302.172,167.639) 302.184,167.639 305.334,164.489 v2(305.347,164.489)
Storage_register: DD1.12 DD2.25 DD3.12 DD4.12 DD5.12 | length 108.7
  Top Layer w0.5: DD4.12@237.767,162.375 237.786,162.356 237.786,161.314 239.312,159.788 258.958,159.788 259.667,160.497 DD1.12@259.667,162.575 ; 258.97,159.8 266.122,159.8 266.522,160.2 273.409,160.2 273.792,160.583 v2(274,160.583) ; v2(281.9,160.4) 281.908,160.408 281.908,162.667 DD3.12@281.915,162.675 ; v2(303.7,160.4) 305.367,160.4 ; DD5.12@305.367,162.675 305.367,160.433 305.4,160.4 ; 305.489,160.311 306.1,159.7 334.23,159.7 DD2.25@334.38,159.55
  Bottom Layer w0.5: v2(274,160.583) 274.709,161.291 280.8,161.291 281.692,160.4 v2(281.9,160.4) 283.8,158.5 301.8,158.5 v2(303.7,160.4)
TX1: DD2.30 | length 105.5
  Top Layer w0.5: 256.26,171.78 257.764,170.276 268.476,170.276 270.5,172.3 270.5,175 272.354,176.854 276.346,176.854 278.2,175 278.2,171.8 279.9,170.1 337.8,170.1 347.08,160.82 DD2.30@347.08,159.55
Vin:  | length 13.8
  Top Layer w0.5: 211.85,156.575 211.85,159.8 211.85,161.55 212.6,162.3 212.6,170.1
pads on no net: DD1. DD1.25 DD2.1 DD2.3 DD2.4 DD2.7 DD2.10 DD2.11 DD2.12 DD2.13 DD2.14 DD2.15 DD2.16 DD2.17 DD2.21 DD2.22 DD2.27 DD2.29 DD2.32 DD2.33 DD2.38 DD2.39 DD2.40 DD2.41 DD2.45 DD2.46 DD2.A1 DD3. DD3.25 DD4. DD4.25 DD5. DD5.9 DD5.25 RY1. RY1.1 RY1.7 RY1.9 RY1.13 RY2. RY2.1 RY2.7 RY2.9 RY2.13 RY3. RY3.1 RY3.7 RY3.9 RY3.13 RY4. RY4.1 RY4.7 RY4.9 RY4.13 RY5. RY5.1 RY5.7 RY5.9 RY5.13 RY6. RY6.1 RY6.7 RY6.9 RY6.13 RY7. RY7.1 RY7.7 RY7.9 RY7.13 RY8. RY8.1 RY8.7 RY8.9 RY8.13 RY9. RY9.1 RY9.7 RY9.9 RY9.13 RY10. RY10.1 RY10.7 RY10.9 RY10.13 RY11. RY11.1 RY11.7 RY11.9 RY11.13 RY12. RY12.1 RY12.7 RY12.9 RY12.13 RY13. RY13.1 RY13.7 RY13.9 RY13.13 RY14. RY14.1 RY14.7 RY14.9 RY14.13 RY15. RY15.1 RY15.7 RY15.9 RY15.13 RY16. RY16.1 RY16.7 RY16.9 RY16.13 RY17. RY17.1 RY17.7 RY17.9 RY17.13 RY18. RY18.1 RY18.7 RY18.9 RY18.13 RY19. RY19.1 RY19.7 RY19.9 RY19.13 RY20. RY20.1 RY20.7 RY20.9 RY20.13 RY21. RY21.1 RY21.7 RY21.9 RY21.13 RY22. RY22.1 RY22.7 RY22.9 RY22.13 RY23. RY23.1 RY23.7 RY23.9 RY23.13 RY24. RY24.1 RY24.7 RY24.9 RY24.13 RY25. RY25.1 RY25.7 RY25.9 RY25.13 RY26. RY26.1 RY26.7 RY26.9 RY26.13 RY27. RY27.1 RY27.7 RY27.9 RY27.13 RY28. RY28.1 RY28.7 RY28.9 RY28.13 RY29. RY29.1 RY29.7 RY29.9 RY29.13 RY30. RY30.1 RY30.7 RY30.9 RY30.13 RY31. RY31.1 RY31.7 RY31.9 RY31.13 RY32. RY32.1 RY32.7 RY32.9 RY32.13 RY33. RY33.1 RY33.7 RY33.9 RY33.13 RY34. RY34.1 RY34.7 RY34.9 RY34.13 RY35. RY35.1 RY35.7 RY35.9 RY35.13 RY36. RY36.1 RY36.7 RY36.9 RY36.13 VT1. VT2. VT3. VT4. VT5. VT6. VT7. VT8. VT9. VT10. VT11. VT12. VT13. VT14. VT15. VT16. VT17. VT18. VT19. VT20. VT21. VT22. VT23. VT24. VT25. VT26. VT27. VT28. VT29. VT30. VT31. VT32. VT33. VT34. VT35. VT36.

## Polygon pours and split planes (outlines as drawn)
GND on Top Layer "GND_L01_P000" (solid, pour order 0): 189.6,182.8 407.3,182.8 407.3,76.4 189.7,76.4 189.7,181.119
GND on Bottom Layer "GND_L02_P001" (solid, pour order 1): 189.7,181.119 189.7,182.8 407.3,182.8 407.3,76.4 189.7,76.4

## Keep-outs
Keep-Out Layer:
  lines w0.254: 189.619,76.4 189.619,182.817 ; 189.7,76.4 407.3,76.4 407.3,182.817 189.717,182.817

## Other copper
Multi-Layer:
  pour cut-out: 190.054,182.506 190.054,177.502 190.054,176.995 195.946,176.995 195.946,182.494
  pour cut-out: 190.007,82.306 190.007,76.807 190,76.8 195.9,76.8 195.9,82.293
  pour cut-out: 400.9,82.307 400.9,76.8 406.9,76.8 406.9,82.294
  pour cut-out: 401,182.456 401,176.944 407,176.944 407,182.444

## Silkscreen, mask and mechanical layers (free items; w line width, h text height)
Top Overlay:
  drawing of 16 lines, arcs and shapes, not listed